# KiCad board panel2.kicad_pcb
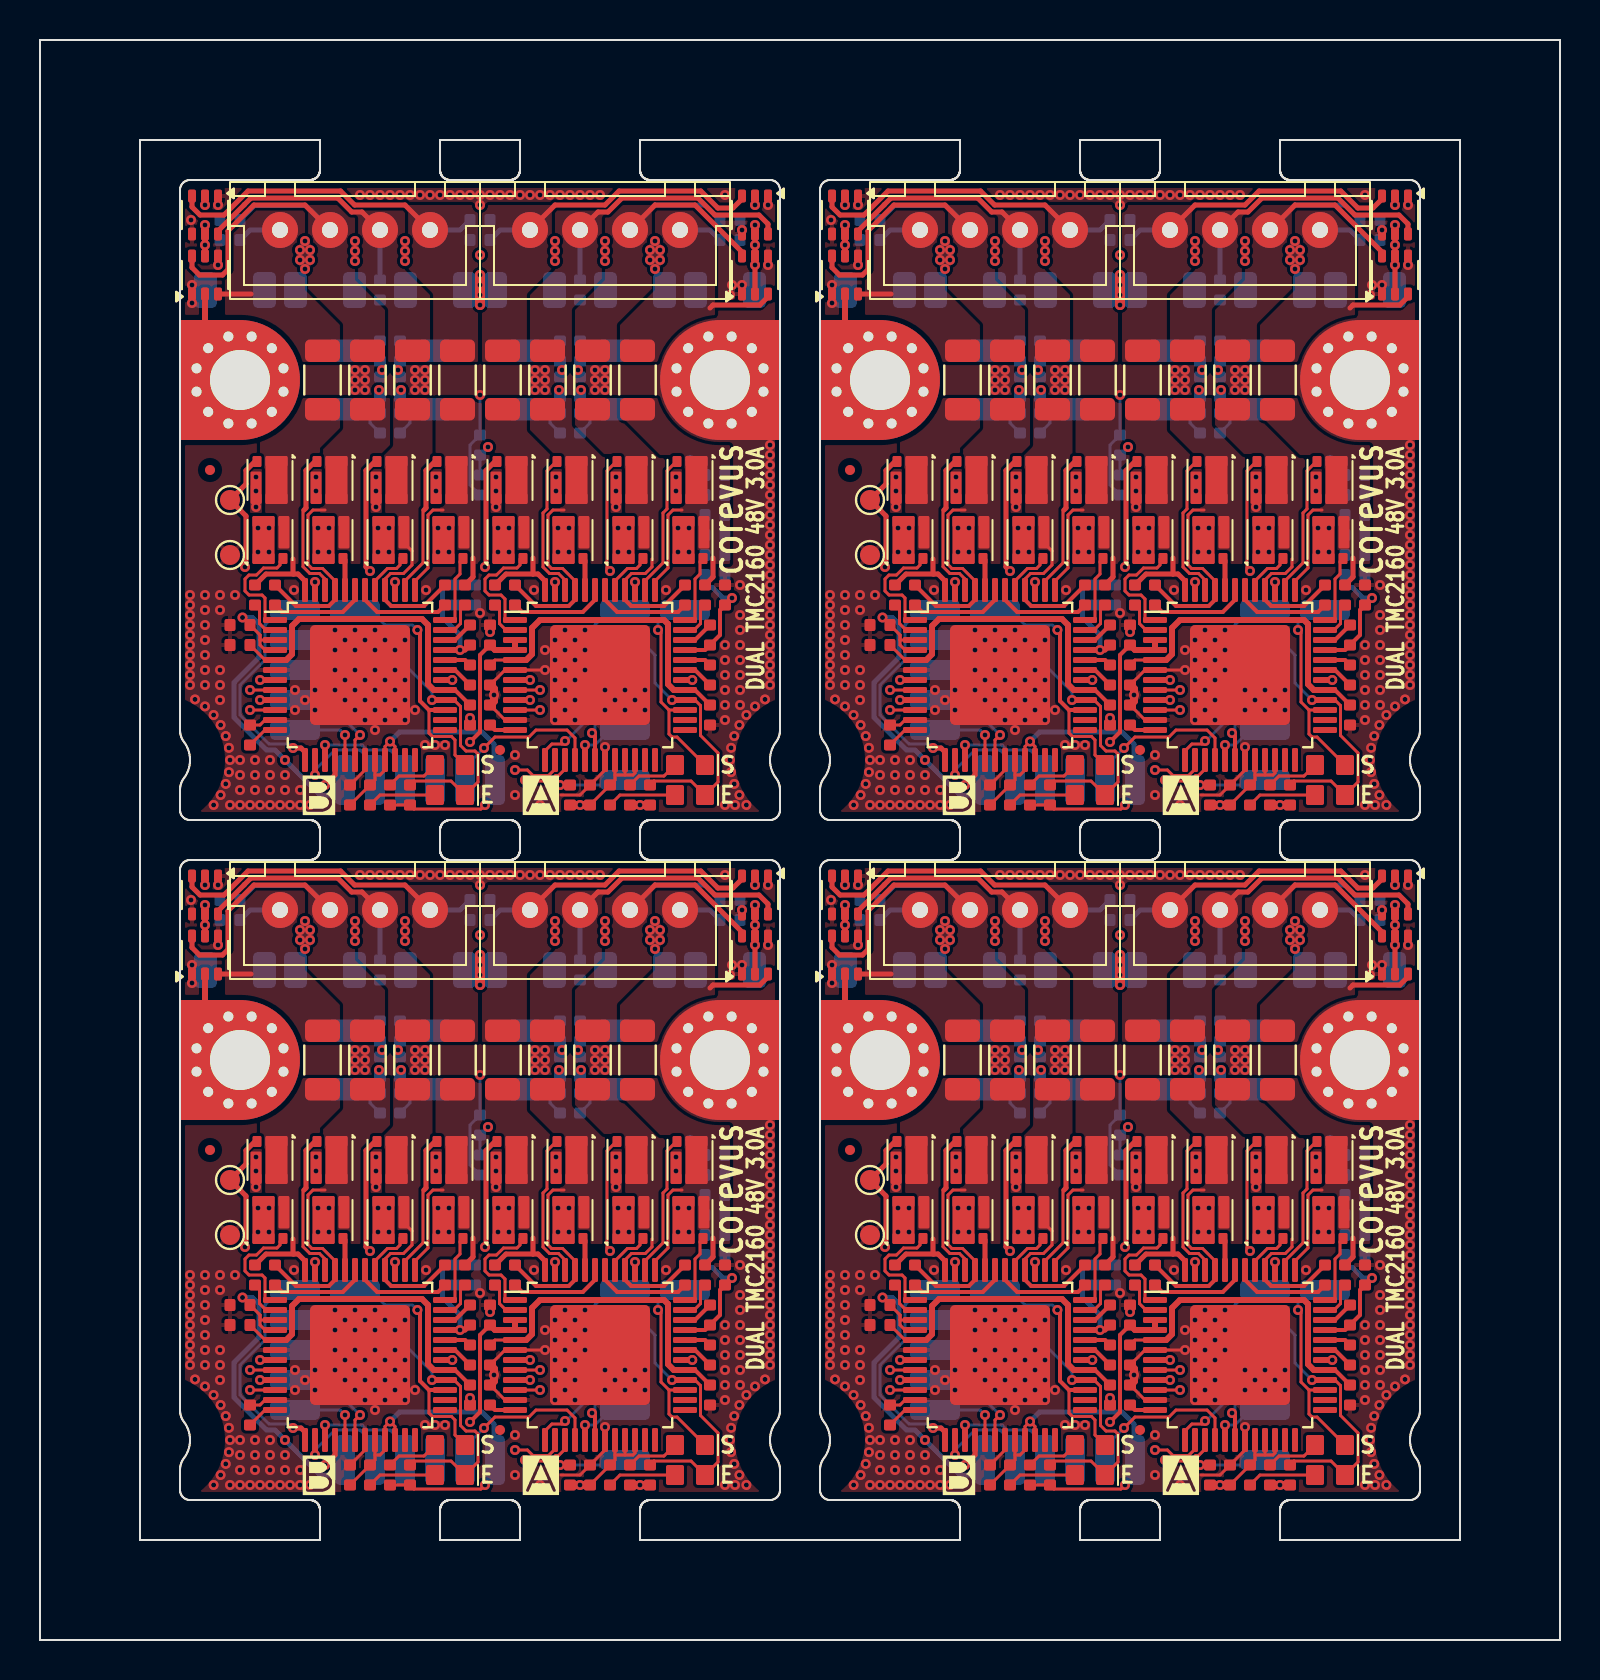
[diagram p0: board, top side]
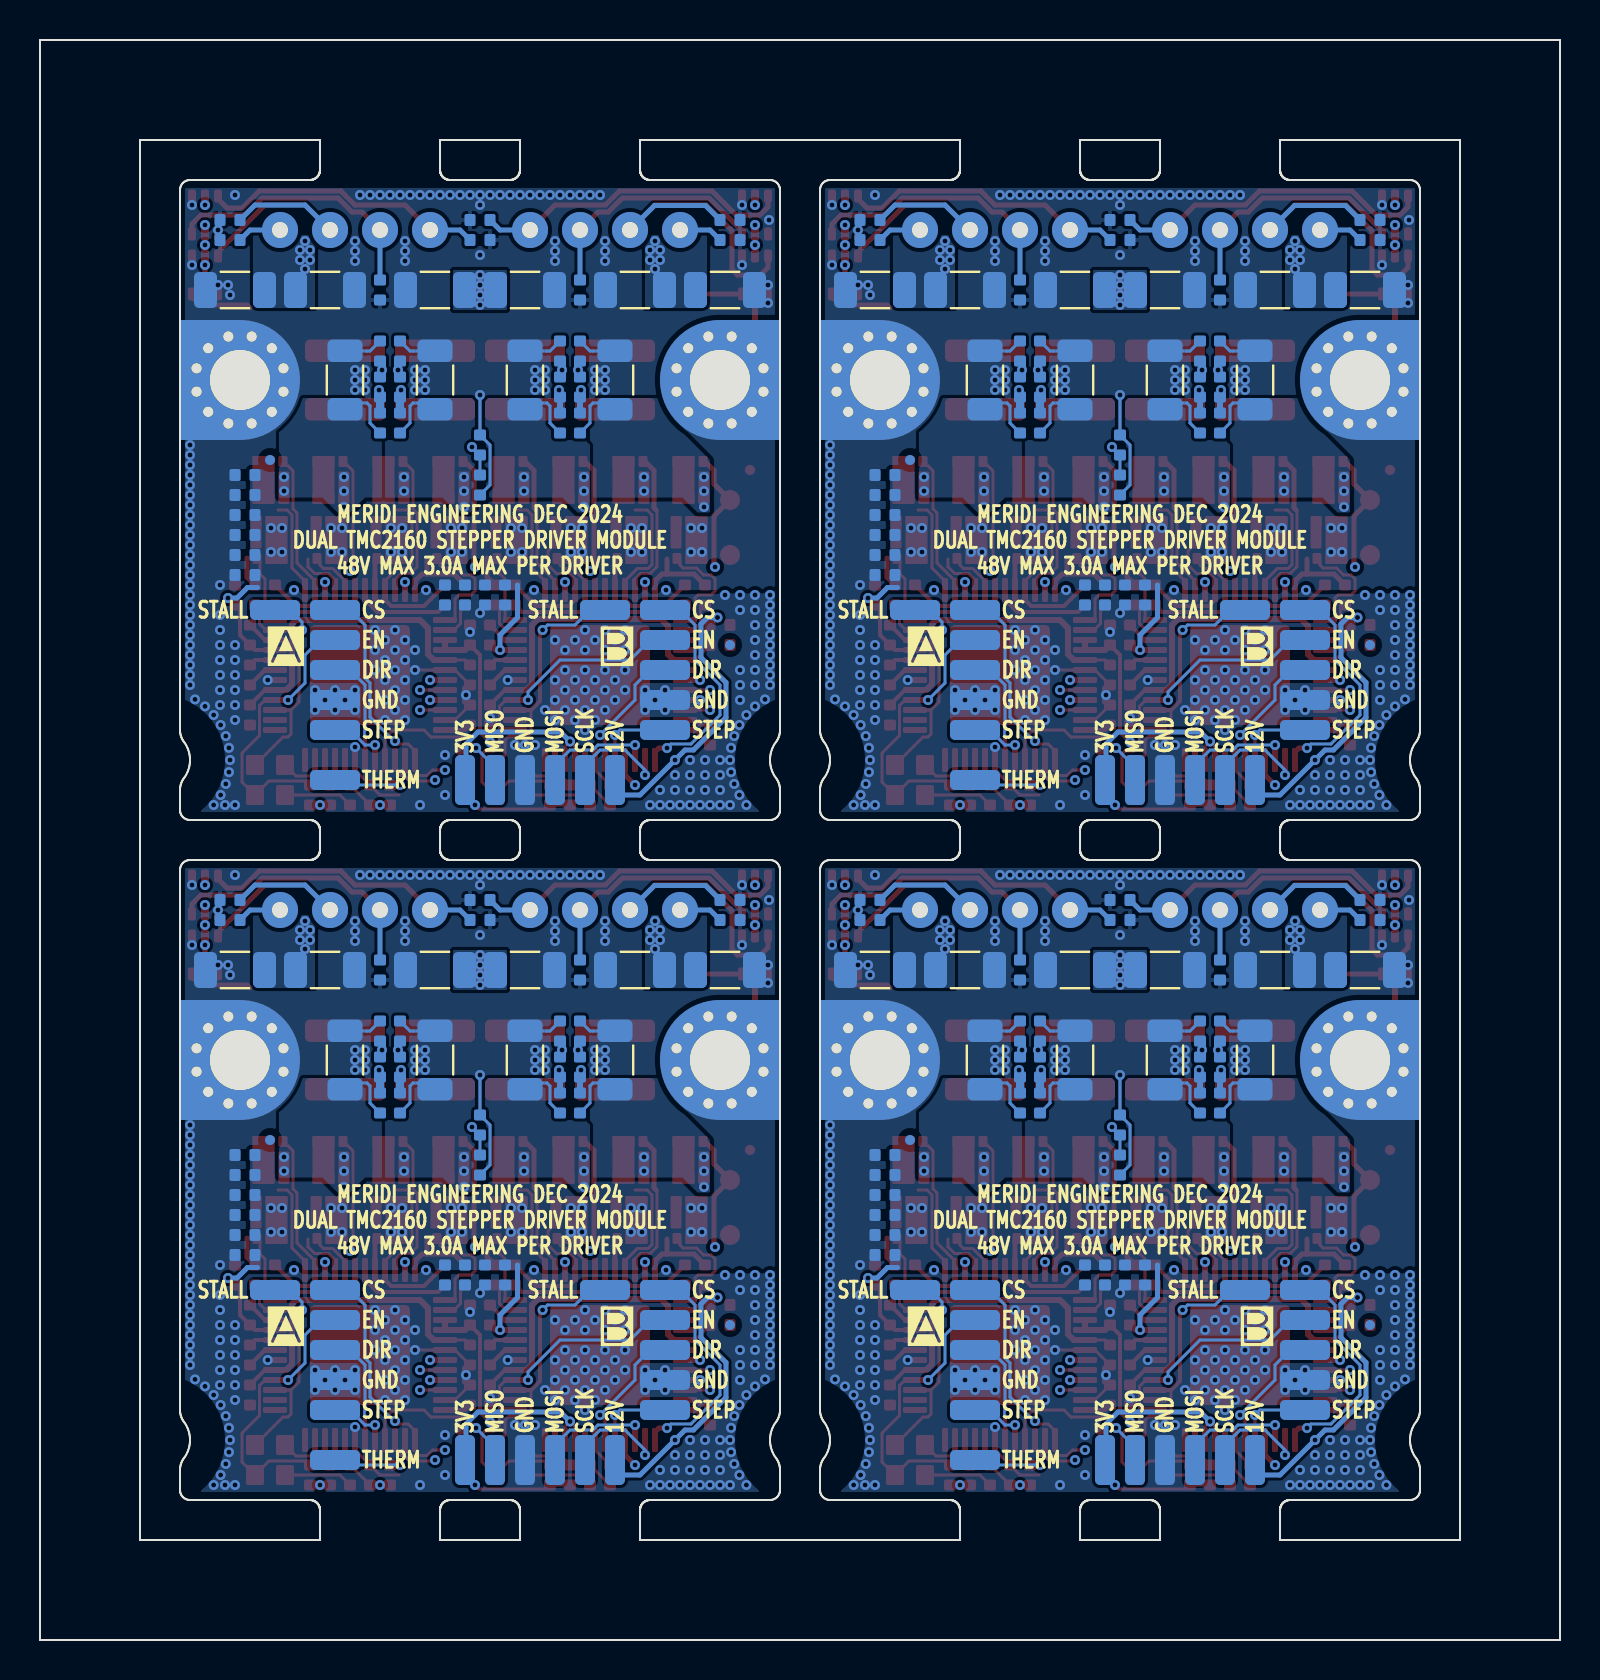
[diagram p1: board, bottom side, seen from below]

Outline 76 x 80 mm; copper layers: Top, In1.Cu, In2.Cu, Bottom. Coordinates in mm from the lower left corner of the outline.
Stack: Top 0.035mm / dielectric 0.1mm FR4 er 4.5 / In1.Cu 0.035mm / dielectric 1.24mm FR4 er 4.5 / In2.Cu 0.035mm / dielectric 0.1mm FR4 er 4.5 / Bottom 0.035mm

## Placement (name value [footprint] x y rotation side)
C1  1μF 25V  [0402C]  65.5 50.25 270 top
C1#2  1μF 25V  [0402C]  33.5 16.25 270 top
C1#3  1μF 25V  [0402C]  65.5 16.25 270 top
C1#4  1μF 25V  [0402C]  33.5 50.25 270 top
C2  100nF 100V  [0402C]  33.5 14.25 90 top
C2#2  100nF 100V  [0402C]  33.5 48.25 90 top
C2#3  100nF 100V  [0402C]  65.5 48.25 90 top
C2#4  100nF 100V  [0402C]  65.5 14.25 90 top
C3  1µF  [0402C]  59.5 42.25 270 top
C3#2  1µF  [0402C]  27.5 42.25 270 top
C3#3  1µF  [0402C]  59.5 8.25 270 top
C3#4  1µF  [0402C]  27.5 8.25 270 top
C4  1μF  [0402C]  54.5 48.25 90 top
C4#2  1μF  [0402C]  54.5 14.25 90 top
C4#3  1μF  [0402C]  22.5 48.25 90 top
C4#4  1μF  [0402C]  22.5 14.25 90 top
C5  1µF  [0402C]  33.5 46.25 90 top
C5#2  1µF  [0402C]  33.5 12.25 90 top
C5#3  1µF  [0402C]  65.5 46.25 90 top
C5#4  1µF  [0402C]  65.5 12.25 90 top
C6  1μF  [0402C]  22.5 16.25 90 top
C6#2  1μF  [0402C]  22.5 50.25 90 top
C6#3  1μF  [0402C]  54.5 16.25 90 top
C6#4  1μF  [0402C]  54.5 50.25 90 top
C7  100nF 100V  [0402C]  34.25 18.25 90 top
C7#2  100nF 100V  [0402C]  66.25 18.25 90 top
C7#3  100nF 100V  [0402C]  34.25 52.25 90 top
C7#4  100nF 100V  [0402C]  66.25 52.25 90 top
C8  1μF 25V  [0402C]  22.75 52.25 90 top
C8#2  1μF 25V  [0402C]  22.75 18.25 90 top
C8#3  1μF 25V  [0402C]  54.75 52.25 90 top
C8#4  1μF 25V  [0402C]  54.75 18.25 90 top
C9  1μF 25V  [0402C]  55.75 52.25 90 top
C9#2  1μF 25V  [0402C]  55.75 18.25 90 top
C9#3  1μF 25V  [0402C]  23.75 52.25 90 top
C9#4  1μF 25V  [0402C]  23.75 18.25 90 top
C10  1μF 25V  [0402C]  64.25 52.25 90 top
C10#2  1μF 25V  [0402C]  64.25 18.25 90 top
C10#3  1μF 25V  [0402C]  32.25 52.25 90 top
C10#4  1μF 25V  [0402C]  32.25 18.25 90 top
C11  1μF 25V  [0402C]  33.25 52.25 90 top
C11#2  1μF 25V  [0402C]  65.25 52.25 90 top
C11#3  1μF 25V  [0402C]  33.25 18.25 90 top
C11#4  1μF 25V  [0402C]  65.25 18.25 90 top
C12  1μF 100V  [C_1206_3216Metric]  9.75 33.5 180 bottom
C12#2  1μF 100V  [C_1206_3216Metric]  41.75 67.5 180 bottom
C12#3  1μF 100V  [C_1206_3216Metric]  9.75 67.5 180 bottom
C12#4  1μF 100V  [C_1206_3216Metric]  41.75 33.5 180 bottom
C13  1μF  [0402C]  22 25.75 90 bottom
C13#2  1μF  [0402C]  54 25.75 90 bottom
C13#3  1μF  [0402C]  22 59.75 90 bottom
C13#4  1μF  [0402C]  54 59.75 90 bottom
C14  1μF 100V  [C_1206_3216Metric]  14.25 67.5 0 bottom
C14#2  1μF 100V  [C_1206_3216Metric]  46.25 67.5 0 bottom
C14#3  1μF 100V  [C_1206_3216Metric]  46.25 33.5 0 bottom
C14#4  1μF 100V  [C_1206_3216Metric]  14.25 33.5 0 bottom
C15  1μF 100V  [C_1206_3216Metric]  51.75 33.5 180 bottom
C15#2  1μF 100V  [C_1206_3216Metric]  19.75 67.5 180 bottom
C15#3  1μF 100V  [C_1206_3216Metric]  19.75 33.5 180 bottom
C15#4  1μF 100V  [C_1206_3216Metric]  51.75 67.5 180 bottom
C16  1nF 100V  [0402C]  66.5 70 180 bottom
C16#2  1nF 100V  [0402C]  34.5 70 180 bottom
C16#3  1nF 100V  [0402C]  66.5 36 180 bottom
C16#4  1nF 100V  [0402C]  34.5 36 180 bottom
C17  1nF 100V  [0402C]  34.5 71 180 bottom
C17#2  1nF 100V  [0402C]  34.5 37 180 bottom
C17#3  1nF 100V  [0402C]  66.5 71 180 bottom
C17#4  1nF 100V  [0402C]  66.5 37 180 bottom
C18  1nF 100V  [0402C]  59 33.5 90 bottom
C18#2  1nF 100V  [0402C]  27 33.5 90 bottom
C18#3  1nF 100V  [0402C]  59 67.5 90 bottom
C18#4  1nF 100V  [0402C]  27 67.5 90 bottom
C19  1nF 100V  [0402C]  54 70 0 bottom
C19#2  1nF 100V  [0402C]  54 36 0 bottom
C19#3  1nF 100V  [0402C]  22 70 0 bottom
C19#4  1nF 100V  [0402C]  22 36 0 bottom
C20  1nF  [0402C]  26 28.65 270 bottom
C20#2  1nF  [0402C]  26 62.65 270 bottom
C20#3  1nF  [0402C]  58 28.65 270 bottom
C20#4  1nF  [0402C]  58 62.65 270 bottom
C21  1nF  [0402C]  27 62.65 270 bottom
C21#2  1nF  [0402C]  59 62.65 270 bottom
C21#3  1nF  [0402C]  59 28.65 270 bottom
C21#4  1nF  [0402C]  27 28.65 270 bottom
C22  1μF 25V  [0402C]  21.5 50.25 270 top
C22#2  1μF 25V  [0402C]  53.5 50.25 270 top
C22#3  1μF 25V  [0402C]  21.5 16.25 270 top
C22#4  1μF 25V  [0402C]  53.5 16.25 270 top
C23  100nF 100V  [0402C]  21.5 48.25 90 top
C23#2  100nF 100V  [0402C]  21.5 14.25 90 top
C23#3  100nF 100V  [0402C]  53.5 48.25 90 top
C23#4  100nF 100V  [0402C]  53.5 14.25 90 top
C24  1μF  [0402C]  10 49.75 0 top
C24#2  1μF  [0402C]  10 15.75 0 top
C24#3  1μF  [0402C]  42 49.75 0 top
C24#4  1μF  [0402C]  42 15.75 0 top
C25  1µF  [0402C]  53.5 12.25 90 top
C25#2  1µF  [0402C]  21.5 46.25 90 top
C25#3  1µF  [0402C]  53.5 46.25 90 top
C25#4  1µF  [0402C]  21.5 12.25 90 top
C26  1µF  [0402C]  47.5 8.25 270 top
C26#2  1µF  [0402C]  47.5 42.25 270 top
C26#3  1µF  [0402C]  15.5 8.25 270 top
C26#4  1µF  [0402C]  15.5 42.25 270 top
C27  1μF  [0402C]  42 16.75 180 top
C27#2  1μF  [0402C]  10 50.75 180 top
C27#3  1μF  [0402C]  10 16.75 180 top
C27#4  1μF  [0402C]  42 50.75 180 top
C28  100nF 100V  [0402C]  52.75 18.25 270 bottom
C28#2  100nF 100V  [0402C]  52.75 52.25 270 bottom
C28#3  100nF 100V  [0402C]  20.75 52.25 270 bottom
C28#4  100nF 100V  [0402C]  20.75 18.25 270 bottom
C29  1μF 25V  [0402C]  42.75 52.25 90 top
C29#2  1μF 25V  [0402C]  42.75 18.25 90 top
C29#3  1μF 25V  [0402C]  10.75 18.25 90 top
C29#4  1μF 25V  [0402C]  10.75 52.25 90 top
C30  1μF 25V  [0402C]  43.75 18.25 90 top
C30#2  1μF 25V  [0402C]  11.75 52.25 90 top
C30#3  1μF 25V  [0402C]  43.75 52.25 90 top
C30#4  1μF 25V  [0402C]  11.75 18.25 90 top
C31  1μF 25V  [0402C]  20.25 18.25 90 top
C31#2  1μF 25V  [0402C]  52.25 18.25 90 top
C31#3  1μF 25V  [0402C]  20.25 52.25 90 top
C31#4  1μF 25V  [0402C]  52.25 52.25 90 top
C32  1μF 25V  [0402C]  53.25 52.25 90 top
C32#2  1μF 25V  [0402C]  53.25 18.25 90 top
C32#3  1μF 25V  [0402C]  21.25 18.25 90 top
C32#4  1μF 25V  [0402C]  21.25 52.25 90 top
C33  1nF  [0402C]  17 28.65 270 bottom
C33#2  1nF  [0402C]  49 28.65 270 bottom
C33#3  1nF  [0402C]  49 62.65 270 bottom
C33#4  1nF  [0402C]  17 62.65 270 bottom
C34  1nF 100V  [0402C]  54 37 180 bottom
C34#2  1nF 100V  [0402C]  54 71 180 bottom
C34#3  1nF 100V  [0402C]  22 37 180 bottom
C34#4  1nF 100V  [0402C]  22 71 180 bottom
C35  1nF 100V  [0402C]  17 67.5 90 bottom
C35#2  1nF 100V  [0402C]  17 33.5 90 bottom
C35#3  1nF 100V  [0402C]  49 67.5 90 bottom
C35#4  1nF 100V  [0402C]  49 33.5 90 bottom
C36  1nF 100V  [0402C]  9.5 71 0 bottom
C36#2  1nF 100V  [0402C]  9.5 37 0 bottom
C36#3  1nF 100V  [0402C]  41.5 71 0 bottom
C36#4  1nF 100V  [0402C]  41.5 37 0 bottom
C37  1nF 100V  [0402C]  9.5 70 0 bottom
C37#2  1nF 100V  [0402C]  9.5 36 0 bottom
C37#3  1nF 100V  [0402C]  41.5 70 0 bottom
C37#4  1nF 100V  [0402C]  41.5 36 0 bottom
C38  1μF 100V  [C_1206_3216Metric]  24.25 67.5 0 bottom
C38#2  1μF 100V  [C_1206_3216Metric]  56.25 67.5 0 bottom
C38#3  1μF 100V  [C_1206_3216Metric]  56.25 33.5 0 bottom
C38#4  1μF 100V  [C_1206_3216Metric]  24.25 33.5 0 bottom
C39  1μF 100V  [C_1206_3216Metric]  61.75 33.5 180 bottom
C39#2  1μF 100V  [C_1206_3216Metric]  29.75 33.5 180 bottom
C39#3  1μF 100V  [C_1206_3216Metric]  61.75 67.5 180 bottom
C39#4  1μF 100V  [C_1206_3216Metric]  29.75 67.5 180 bottom
C40  1μF 100V  [C_1206_3216Metric]  66.25 67.5 0 bottom
C40#2  1μF 100V  [C_1206_3216Metric]  66.25 33.5 0 bottom
C40#3  1μF 100V  [C_1206_3216Metric]  34.25 67.5 0 bottom
C40#4  1μF 100V  [C_1206_3216Metric]  34.25 33.5 0 bottom
C41  1nF  [0402C]  50 28.65 270 bottom
C41#2  1nF  [0402C]  18 62.65 270 bottom
C41#3  1nF  [0402C]  18 28.65 270 bottom
C41#4  1nF  [0402C]  50 62.65 270 bottom
C42  100nF 100V  [0402C]  53.75 52.25 270 bottom
C42#2  100nF 100V  [0402C]  21.75 18.25 270 bottom
C42#3  100nF 100V  [0402C]  53.75 18.25 270 bottom
C42#4  100nF 100V  [0402C]  21.75 52.25 270 bottom
C43  100nF 100V  [0402C]  54.75 52.25 270 bottom
C43#2  100nF 100V  [0402C]  22.75 18.25 270 bottom
C43#3  100nF 100V  [0402C]  22.75 52.25 270 bottom
C43#4  100nF 100V  [0402C]  54.75 18.25 270 bottom
C44  100nF 100V  [0402C]  55.75 18.25 270 bottom
C44#2  100nF 100V  [0402C]  23.75 18.25 270 bottom
C44#3  100nF 100V  [0402C]  55.75 52.25 270 bottom
C44#4  100nF 100V  [0402C]  23.75 52.25 270 bottom
C45  100nF 100V  [0402C]  65.75 53.25 0 bottom
C45#2  100nF 100V  [0402C]  65.75 19.25 0 bottom
C45#3  100nF 100V  [0402C]  33.75 19.25 0 bottom
C45#4  100nF 100V  [0402C]  33.75 53.25 0 bottom
C46  100nF 100V  [0402C]  65.75 20.25 0 bottom
C46#2  100nF 100V  [0402C]  33.75 54.25 0 bottom
C46#3  100nF 100V  [0402C]  33.75 20.25 0 bottom
C46#4  100nF 100V  [0402C]  65.75 54.25 0 bottom
C47  100nF 100V  [0402C]  33.75 21.25 0 bottom
C47#2  100nF 100V  [0402C]  65.75 21.25 0 bottom
C47#3  100nF 100V  [0402C]  65.75 55.25 0 bottom
C47#4  100nF 100V  [0402C]  33.75 55.25 0 bottom
C48  100nF 100V  [0402C]  65.75 56.25 0 bottom
C48#2  100nF 100V  [0402C]  33.75 22.25 0 bottom
C48#3  100nF 100V  [0402C]  65.75 22.25 0 bottom
C48#4  100nF 100V  [0402C]  33.75 56.25 0 bottom
C49  100nF 100V  [0402C]  33.75 57.25 0 bottom
C49#2  100nF 100V  [0402C]  65.75 57.25 0 bottom
C49#3  100nF 100V  [0402C]  65.75 23.25 0 bottom
C49#4  100nF 100V  [0402C]  33.75 23.25 0 bottom
C50  100nF 100V  [0402C]  33.75 24.25 0 bottom
C50#2  100nF 100V  [0402C]  65.75 58.25 0 bottom
C50#3  100nF 100V  [0402C]  65.75 24.25 0 bottom
C50#4  100nF 100V  [0402C]  33.75 58.25 0 bottom
D1  Grn  [0603LED]  64.5 8.25 180 top
D1#2  Grn  [0603LED]  64.5 42.25 180 top
D1#3  Grn  [0603LED]  32.5 8.25 180 top
D1#4  Grn  [0603LED]  32.5 42.25 180 top
D2  Ylw  [0603LED]  64.5 43.75 180 top
D2#2  Ylw  [0603LED]  32.5 9.75 180 top
D2#3  Ylw  [0603LED]  32.5 43.75 180 top
D2#4  Ylw  [0603LED]  64.5 9.75 180 top
D3  BAV99S  [SOT-363_SC-70-6]  35.75 37.25 270 top
D3#2  BAV99S  [SOT-363_SC-70-6]  67.75 71.25 270 top
D3#3  BAV99S  [SOT-363_SC-70-6]  67.75 37.25 270 top
D3#4  BAV99S  [SOT-363_SC-70-6]  35.75 71.25 270 top
D4  BAV99S  [SOT-363_SC-70-6]  67.75 68.25 90 top
D4#2  BAV99S  [SOT-363_SC-70-6]  35.75 34.25 90 top
D4#3  BAV99S  [SOT-363_SC-70-6]  35.75 68.25 90 top
D4#4  BAV99S  [SOT-363_SC-70-6]  67.75 34.25 90 top
D5  Grn  [0603LED]  20.5 42.25 180 top
D5#2  Grn  [0603LED]  52.5 8.25 180 top
D5#3  Grn  [0603LED]  20.5 8.25 180 top
D5#4  Grn  [0603LED]  52.5 42.25 180 top
D6  Ylw  [0603LED]  20.5 9.75 180 top
D6#2  Ylw  [0603LED]  52.5 9.75 180 top
D6#3  Ylw  [0603LED]  20.5 43.75 180 top
D6#4  Ylw  [0603LED]  52.5 43.75 180 top
D7  BAV99S  [SOT-363_SC-70-6]  8.25 71.25 270 top
D7#2  BAV99S  [SOT-363_SC-70-6]  8.25 37.25 270 top
D7#3  BAV99S  [SOT-363_SC-70-6]  40.25 71.25 270 top
D7#4  BAV99S  [SOT-363_SC-70-6]  40.25 37.25 270 top
D8  BAV99S  [SOT-363_SC-70-6]  40.25 68.25 90 top
D8#2  BAV99S  [SOT-363_SC-70-6]  8.25 34.25 90 top
D8#3  BAV99S  [SOT-363_SC-70-6]  40.25 34.25 90 top
D8#4  BAV99S  [SOT-363_SC-70-6]  8.25 68.25 90 top
FB1  30Ω@100MHz  [R_1206_3216Metric]  61.88 29 270 top
FB1#2  30Ω@100MHz  [R_1206_3216Metric]  61.88 63 270 top
FB1#3  30Ω@100MHz  [R_1206_3216Metric]  29.88 63 270 top
FB1#4  30Ω@100MHz  [R_1206_3216Metric]  29.88 29 270 top
FB2  30Ω@100MHz  [R_1206_3216Metric]  27.62 29 270 top
FB2#2  30Ω@100MHz  [R_1206_3216Metric]  59.62 63 270 top
FB2#3  30Ω@100MHz  [R_1206_3216Metric]  59.62 29 270 top
FB2#4  30Ω@100MHz  [R_1206_3216Metric]  27.62 63 270 top
FB3  30Ω@100MHz  [R_1206_3216Metric]  25.38 29 270 top
FB3#2  30Ω@100MHz  [R_1206_3216Metric]  57.38 63 270 top
FB3#3  30Ω@100MHz  [R_1206_3216Metric]  25.38 63 270 top
FB3#4  30Ω@100MHz  [R_1206_3216Metric]  57.38 29 270 top
FB4  30Ω@100MHz  [R_1206_3216Metric]  55.12 63 270 top
FB4#2  30Ω@100MHz  [R_1206_3216Metric]  55.12 29 270 top
FB4#3  30Ω@100MHz  [R_1206_3216Metric]  23.12 63 270 top
FB4#4  30Ω@100MHz  [R_1206_3216Metric]  23.12 29 270 top
FB5  30Ω@100MHz  [R_1206_3216Metric]  20.88 29 270 top
FB5#2  30Ω@100MHz  [R_1206_3216Metric]  52.88 29 270 top
FB5#3  30Ω@100MHz  [R_1206_3216Metric]  52.88 63 270 top
FB5#4  30Ω@100MHz  [R_1206_3216Metric]  20.88 63 270 top
FB6  30Ω@100MHz  [R_1206_3216Metric]  18.62 29 270 top
FB6#2  30Ω@100MHz  [R_1206_3216Metric]  50.62 29 270 top
FB6#3  30Ω@100MHz  [R_1206_3216Metric]  18.62 63 270 top
FB6#4  30Ω@100MHz  [R_1206_3216Metric]  50.62 63 270 top
FB7  30Ω@100MHz  [R_1206_3216Metric]  48.38 63 270 top
FB7#2  30Ω@100MHz  [R_1206_3216Metric]  16.38 63 270 top
FB7#3  30Ω@100MHz  [R_1206_3216Metric]  48.38 29 270 top
FB7#4  30Ω@100MHz  [R_1206_3216Metric]  16.38 29 270 top
FB8  30Ω@100MHz  [R_1206_3216Metric]  14.12 63 270 top
FB8#2  30Ω@100MHz  [R_1206_3216Metric]  46.12 29 270 top
FB8#3  30Ω@100MHz  [R_1206_3216Metric]  14.12 29 270 top
FB8#4  30Ω@100MHz  [R_1206_3216Metric]  46.12 63 270 top
FID1  Fiducial  [Fiducial_0.5mm_Mask1mm]  40.5 58.5 0 top
FID1#2  Fiducial  [Fiducial_0.5mm_Mask1mm]  40.5 24.5 0 top
FID1#3  Fiducial  [Fiducial_0.5mm_Mask1mm]  8.5 58.5 0 top
FID1#4  Fiducial  [Fiducial_0.5mm_Mask1mm]  8.5 24.5 0 top
FID2  Fiducial  [Fiducial_0.5mm_Mask1mm]  23 10.5 0 top
FID2#2  Fiducial  [Fiducial_0.5mm_Mask1mm]  55 10.5 0 top
FID2#3  Fiducial  [Fiducial_0.5mm_Mask1mm]  23 44.5 0 top
FID2#4  Fiducial  [Fiducial_0.5mm_Mask1mm]  55 44.5 0 top
FID3  Fiducial  [Fiducial_0.5mm_Mask1mm]  9.5 49.75 180 bottom
FID3#2  Fiducial  [Fiducial_0.5mm_Mask1mm]  41.5 15.75 180 bottom
FID3#3  Fiducial  [Fiducial_0.5mm_Mask1mm]  41.5 49.75 180 bottom
FID3#4  Fiducial  [Fiducial_0.5mm_Mask1mm]  9.5 15.75 180 bottom
FID4  Fiducial  [Fiducial_0.5mm_Mask1mm]  64.5 25 180 bottom
FID4#2  Fiducial  [Fiducial_0.5mm_Mask1mm]  32.5 25 180 bottom
FID4#3  Fiducial  [Fiducial_0.5mm_Mask1mm]  32.5 59 180 bottom
FID4#4  Fiducial  [Fiducial_0.5mm_Mask1mm]  64.5 59 180 bottom
H1  VM  [MountingHole_M3_Driver_1]  42 29 90 top
H1#2  VM  [MountingHole_M3_Driver_1]  10 63 90 top
H1#3  VM  [MountingHole_M3_Driver_1]  42 63 90 top
H1#4  VM  [MountingHole_M3_Driver_1]  10 29 90 top
H2  Gnd  [MountingHole_M3_Driver_1]  34 29 270 top
H2#2  Gnd  [MountingHole_M3_Driver_1]  34 63 270 top
H2#3  Gnd  [MountingHole_M3_Driver_1]  66 63 270 top
H2#4  Gnd  [MountingHole_M3_Driver_1]  66 29 270 top
J1  XH  [JST_XH_1x04]  28.25 70.5 0 top
J1#2  XH  [JST_XH_1x04]  28.25 36.5 0 top
J1#3  XH  [JST_XH_1x04]  60.25 70.5 0 top
J1#4  XH  [JST_XH_1x04]  60.25 36.5 0 top
J2  XH  [JST_XH_1x04]  47.75 70.5 0 top
J2#2  XH  [JST_XH_1x04]  15.75 70.5 0 top
J2#3  XH  [JST_XH_1x04]  47.75 36.5 0 top
J2#4  XH  [JST_XH_1x04]  15.75 36.5 0 top
NT1  NetTie_2  [NetTie-2_SMD_Pad0.15mm]  25.22 27.85 180 bottom
NT1#2  NetTie_2  [NetTie-2_SMD_Pad0.15mm]  57.22 27.85 180 bottom
NT1#3  NetTie_2  [NetTie-2_SMD_Pad0.15mm]  57.22 61.85 180 bottom
NT1#4  NetTie_2  [NetTie-2_SMD_Pad0.15mm]  25.22 61.85 180 bottom
NT2  NetTie_2  [NetTie-2_SMD_Pad0.15mm]  57.22 30.45 180 bottom
NT2#2  NetTie_2  [NetTie-2_SMD_Pad0.15mm]  57.22 64.45 180 bottom
NT2#3  NetTie_2  [NetTie-2_SMD_Pad0.15mm]  25.22 64.45 180 bottom
NT2#4  NetTie_2  [NetTie-2_SMD_Pad0.15mm]  25.22 30.45 180 bottom
NT3  NetTie_2  [NetTie-2_SMD_Pad0.15mm]  27.78 61.85 180 bottom
NT3#2  NetTie_2  [NetTie-2_SMD_Pad0.15mm]  59.78 27.85 180 bottom
NT3#3  NetTie_2  [NetTie-2_SMD_Pad0.15mm]  27.78 27.85 180 bottom
NT3#4  NetTie_2  [NetTie-2_SMD_Pad0.15mm]  59.78 61.85 180 bottom
NT4  NetTie_2  [NetTie-2_SMD_Pad0.15mm]  59.78 30.45 180 bottom
NT4#2  NetTie_2  [NetTie-2_SMD_Pad0.15mm]  27.78 64.45 180 bottom
NT4#3  NetTie_2  [NetTie-2_SMD_Pad0.15mm]  59.78 64.45 180 bottom
NT4#4  NetTie_2  [NetTie-2_SMD_Pad0.15mm]  27.78 30.45 180 bottom
NT5  NetTie_2  [NetTie-2_SMD_Pad0.15mm]  48.22 27.85 180 bottom
NT5#2  NetTie_2  [NetTie-2_SMD_Pad0.15mm]  16.22 61.85 180 bottom
NT5#3  NetTie_2  [NetTie-2_SMD_Pad0.15mm]  16.22 27.85 180 bottom
NT5#4  NetTie_2  [NetTie-2_SMD_Pad0.15mm]  48.22 61.85 180 bottom
NT6  NetTie_2  [NetTie-2_SMD_Pad0.15mm]  16.22 64.45 180 bottom
NT6#2  NetTie_2  [NetTie-2_SMD_Pad0.15mm]  16.22 30.45 180 bottom
NT6#3  NetTie_2  [NetTie-2_SMD_Pad0.15mm]  48.22 30.45 180 bottom
NT6#4  NetTie_2  [NetTie-2_SMD_Pad0.15mm]  48.22 64.45 180 bottom
NT7  NetTie_2  [NetTie-2_SMD_Pad0.15mm]  50.78 61.85 180 bottom
NT7#2  NetTie_2  [NetTie-2_SMD_Pad0.15mm]  50.78 27.85 180 bottom
NT7#3  NetTie_2  [NetTie-2_SMD_Pad0.15mm]  18.78 27.85 180 bottom
NT7#4  NetTie_2  [NetTie-2_SMD_Pad0.15mm]  18.78 61.85 180 bottom
NT8  NetTie_2  [NetTie-2_SMD_Pad0.15mm]  18.78 64.45 180 bottom
NT8#2  NetTie_2  [NetTie-2_SMD_Pad0.15mm]  18.78 30.45 180 bottom
NT8#3  NetTie_2  [NetTie-2_SMD_Pad0.15mm]  50.78 64.45 180 bottom
NT8#4  NetTie_2  [NetTie-2_SMD_Pad0.15mm]  50.78 30.45 180 bottom
Q1  DMT6016  [DMT6016LFDF]  55.5 55 0 top
Q1#2  DMT6016  [DMT6016LFDF]  23.5 21 0 top
Q1#3  DMT6016  [DMT6016LFDF]  55.5 21 0 top
Q1#4  DMT6016  [DMT6016LFDF]  23.5 55 0 top
Q2  DMT6016  [DMT6016LFDF]  55.5 24 180 top
Q2#2  DMT6016  [DMT6016LFDF]  23.5 24 180 top
Q2#3  DMT6016  [DMT6016LFDF]  55.5 58 180 top
Q2#4  DMT6016  [DMT6016LFDF]  23.5 58 180 top
Q3  DMT6016  [DMT6016LFDF]  26.5 55 0 top
Q3#2  DMT6016  [DMT6016LFDF]  58.5 21 0 top
Q3#3  DMT6016  [DMT6016LFDF]  26.5 21 0 top
Q3#4  DMT6016  [DMT6016LFDF]  58.5 55 0 top
Q4  DMT6016  [DMT6016LFDF]  26.5 24 180 top
Q4#2  DMT6016  [DMT6016LFDF]  58.5 24 180 top
Q4#3  DMT6016  [DMT6016LFDF]  26.5 58 180 top
Q4#4  DMT6016  [DMT6016LFDF]  58.5 58 180 top
Q5  DMT6016  [DMT6016LFDF]  29.5 21 0 top
Q5#2  DMT6016  [DMT6016LFDF]  61.5 55 0 top
Q5#3  DMT6016  [DMT6016LFDF]  61.5 21 0 top
Q5#4  DMT6016  [DMT6016LFDF]  29.5 55 0 top
Q6  DMT6016  [DMT6016LFDF]  61.5 24 180 top
Q6#2  DMT6016  [DMT6016LFDF]  29.5 24 180 top
Q6#3  DMT6016  [DMT6016LFDF]  61.5 58 180 top
Q6#4  DMT6016  [DMT6016LFDF]  29.5 58 180 top
Q7  DMT6016  [DMT6016LFDF]  64.5 55 0 top
Q7#2  DMT6016  [DMT6016LFDF]  32.5 21 0 top
Q7#3  DMT6016  [DMT6016LFDF]  64.5 21 0 top
Q7#4  DMT6016  [DMT6016LFDF]  32.5 55 0 top
Q8  DMT6016  [DMT6016LFDF]  64.5 58 180 top
Q8#2  DMT6016  [DMT6016LFDF]  32.5 58 180 top
Q8#3  DMT6016  [DMT6016LFDF]  64.5 24 180 top
Q8#4  DMT6016  [DMT6016LFDF]  32.5 24 180 top
Q9  DMT6016  [DMT6016LFDF]  11.5 21 0 top
Q9#2  DMT6016  [DMT6016LFDF]  43.5 21 0 top
Q9#3  DMT6016  [DMT6016LFDF]  43.5 55 0 top
Q9#4  DMT6016  [DMT6016LFDF]  11.5 55 0 top
Q10  DMT6016  [DMT6016LFDF]  11.5 58 180 top
Q10#2  DMT6016  [DMT6016LFDF]  43.5 24 180 top
Q10#3  DMT6016  [DMT6016LFDF]  43.5 58 180 top
Q10#4  DMT6016  [DMT6016LFDF]  11.5 24 180 top
Q11  DMT6016  [DMT6016LFDF]  14.5 55 0 top
Q11#2  DMT6016  [DMT6016LFDF]  14.5 21 0 top
Q11#3  DMT6016  [DMT6016LFDF]  46.5 21 0 top
Q11#4  DMT6016  [DMT6016LFDF]  46.5 55 0 top
Q12  DMT6016  [DMT6016LFDF]  46.5 58 180 top
Q12#2  DMT6016  [DMT6016LFDF]  46.5 24 180 top
Q12#3  DMT6016  [DMT6016LFDF]  14.5 24 180 top
Q12#4  DMT6016  [DMT6016LFDF]  14.5 58 180 top
Q13  DMT6016  [DMT6016LFDF]  49.5 21 0 top
Q13#2  DMT6016  [DMT6016LFDF]  17.5 55 0 top
Q13#3  DMT6016  [DMT6016LFDF]  49.5 55 0 top
Q13#4  DMT6016  [DMT6016LFDF]  17.5 21 0 top
Q14  DMT6016  [DMT6016LFDF]  17.5 58 180 top
Q14#2  DMT6016  [DMT6016LFDF]  49.5 58 180 top
Q14#3  DMT6016  [DMT6016LFDF]  17.5 24 180 top
Q14#4  DMT6016  [DMT6016LFDF]  49.5 24 180 top
Q15  DMT6016  [DMT6016LFDF]  52.5 21 0 top
Q15#2  DMT6016  [DMT6016LFDF]  20.5 55 0 top
Q15#3  DMT6016  [DMT6016LFDF]  20.5 21 0 top
Q15#4  DMT6016  [DMT6016LFDF]  52.5 55 0 top
Q16  DMT6016  [DMT6016LFDF]  52.5 24 180 top
Q16#2  DMT6016  [DMT6016LFDF]  20.5 24 180 top
Q16#3  DMT6016  [DMT6016LFDF]  20.5 58 180 top
Q16#4  DMT6016  [DMT6016LFDF]  52.5 58 180 top
R1  4.7kΩ  [0402R]  28.5 8.25 270 top
R1#2  4.7kΩ  [0402R]  60.5 42.25 270 top
R1#3  4.7kΩ  [0402R]  60.5 8.25 270 top
R1#4  4.7kΩ  [0402R]  28.5 42.25 270 top
R2  10kΩ  [0402R]  30.5 8.25 90 top
R2#2  10kΩ  [0402R]  62.5 42.25 90 top
R2#3  10kΩ  [0402R]  30.5 42.25 90 top
R2#4  10kΩ  [0402R]  62.5 8.25 90 top
R3  10kΩ  [0402R]  54.5 46.25 90 top
R3#2  10kΩ  [0402R]  54.5 12.25 90 top
R3#3  10kΩ  [0402R]  22.5 46.25 90 top
R3#4  10kΩ  [0402R]  22.5 12.25 90 top
R4  10kΩ  [0402R]  18.5 42.25 90 top
R4#2  10kΩ  [0402R]  50.5 8.25 90 top
R4#3  10kΩ  [0402R]  50.5 42.25 90 top
R4#4  10kΩ  [0402R]  18.5 8.25 90 top
R5  10kΩ  [0402R]  42.5 11.25 90 top
R5#2  10kΩ  [0402R]  42.5 45.25 90 top
R5#3  10kΩ  [0402R]  10.5 11.25 90 top
R5#4  10kΩ  [0402R]  10.5 45.25 90 top
R6  4.7kΩ  [0402R]  48.5 8.25 270 top
R6#2  4.7kΩ  [0402R]  48.5 42.25 270 top
R6#3  4.7kΩ  [0402R]  16.5 42.25 270 top
R6#4  4.7kΩ  [0402R]  16.5 8.25 270 top
R7  1kΩ  [0402R]  49.5 8.25 90 top
R7#2  1kΩ  [0402R]  17.5 42.25 90 top
R7#3  1kΩ  [0402R]  49.5 42.25 90 top